# Altium PCB COPY_HIVE_BOARD.PcbDoc (part 5 of 9)
Units mm, origin at the board's own origin, x right, y up, seen from the top; angles counter-clockwise.
Board outline 110 x 110 mm, 8 copper layers (Top, GND_1, Signal_1, GND_2, PWR, Signal_2, GND_3, Bottom), stack 1.6 mm thick; 674 components, 473 nets, 2528 pads, 2100 vias.
Unrouted connection lines stored in the file: 14.
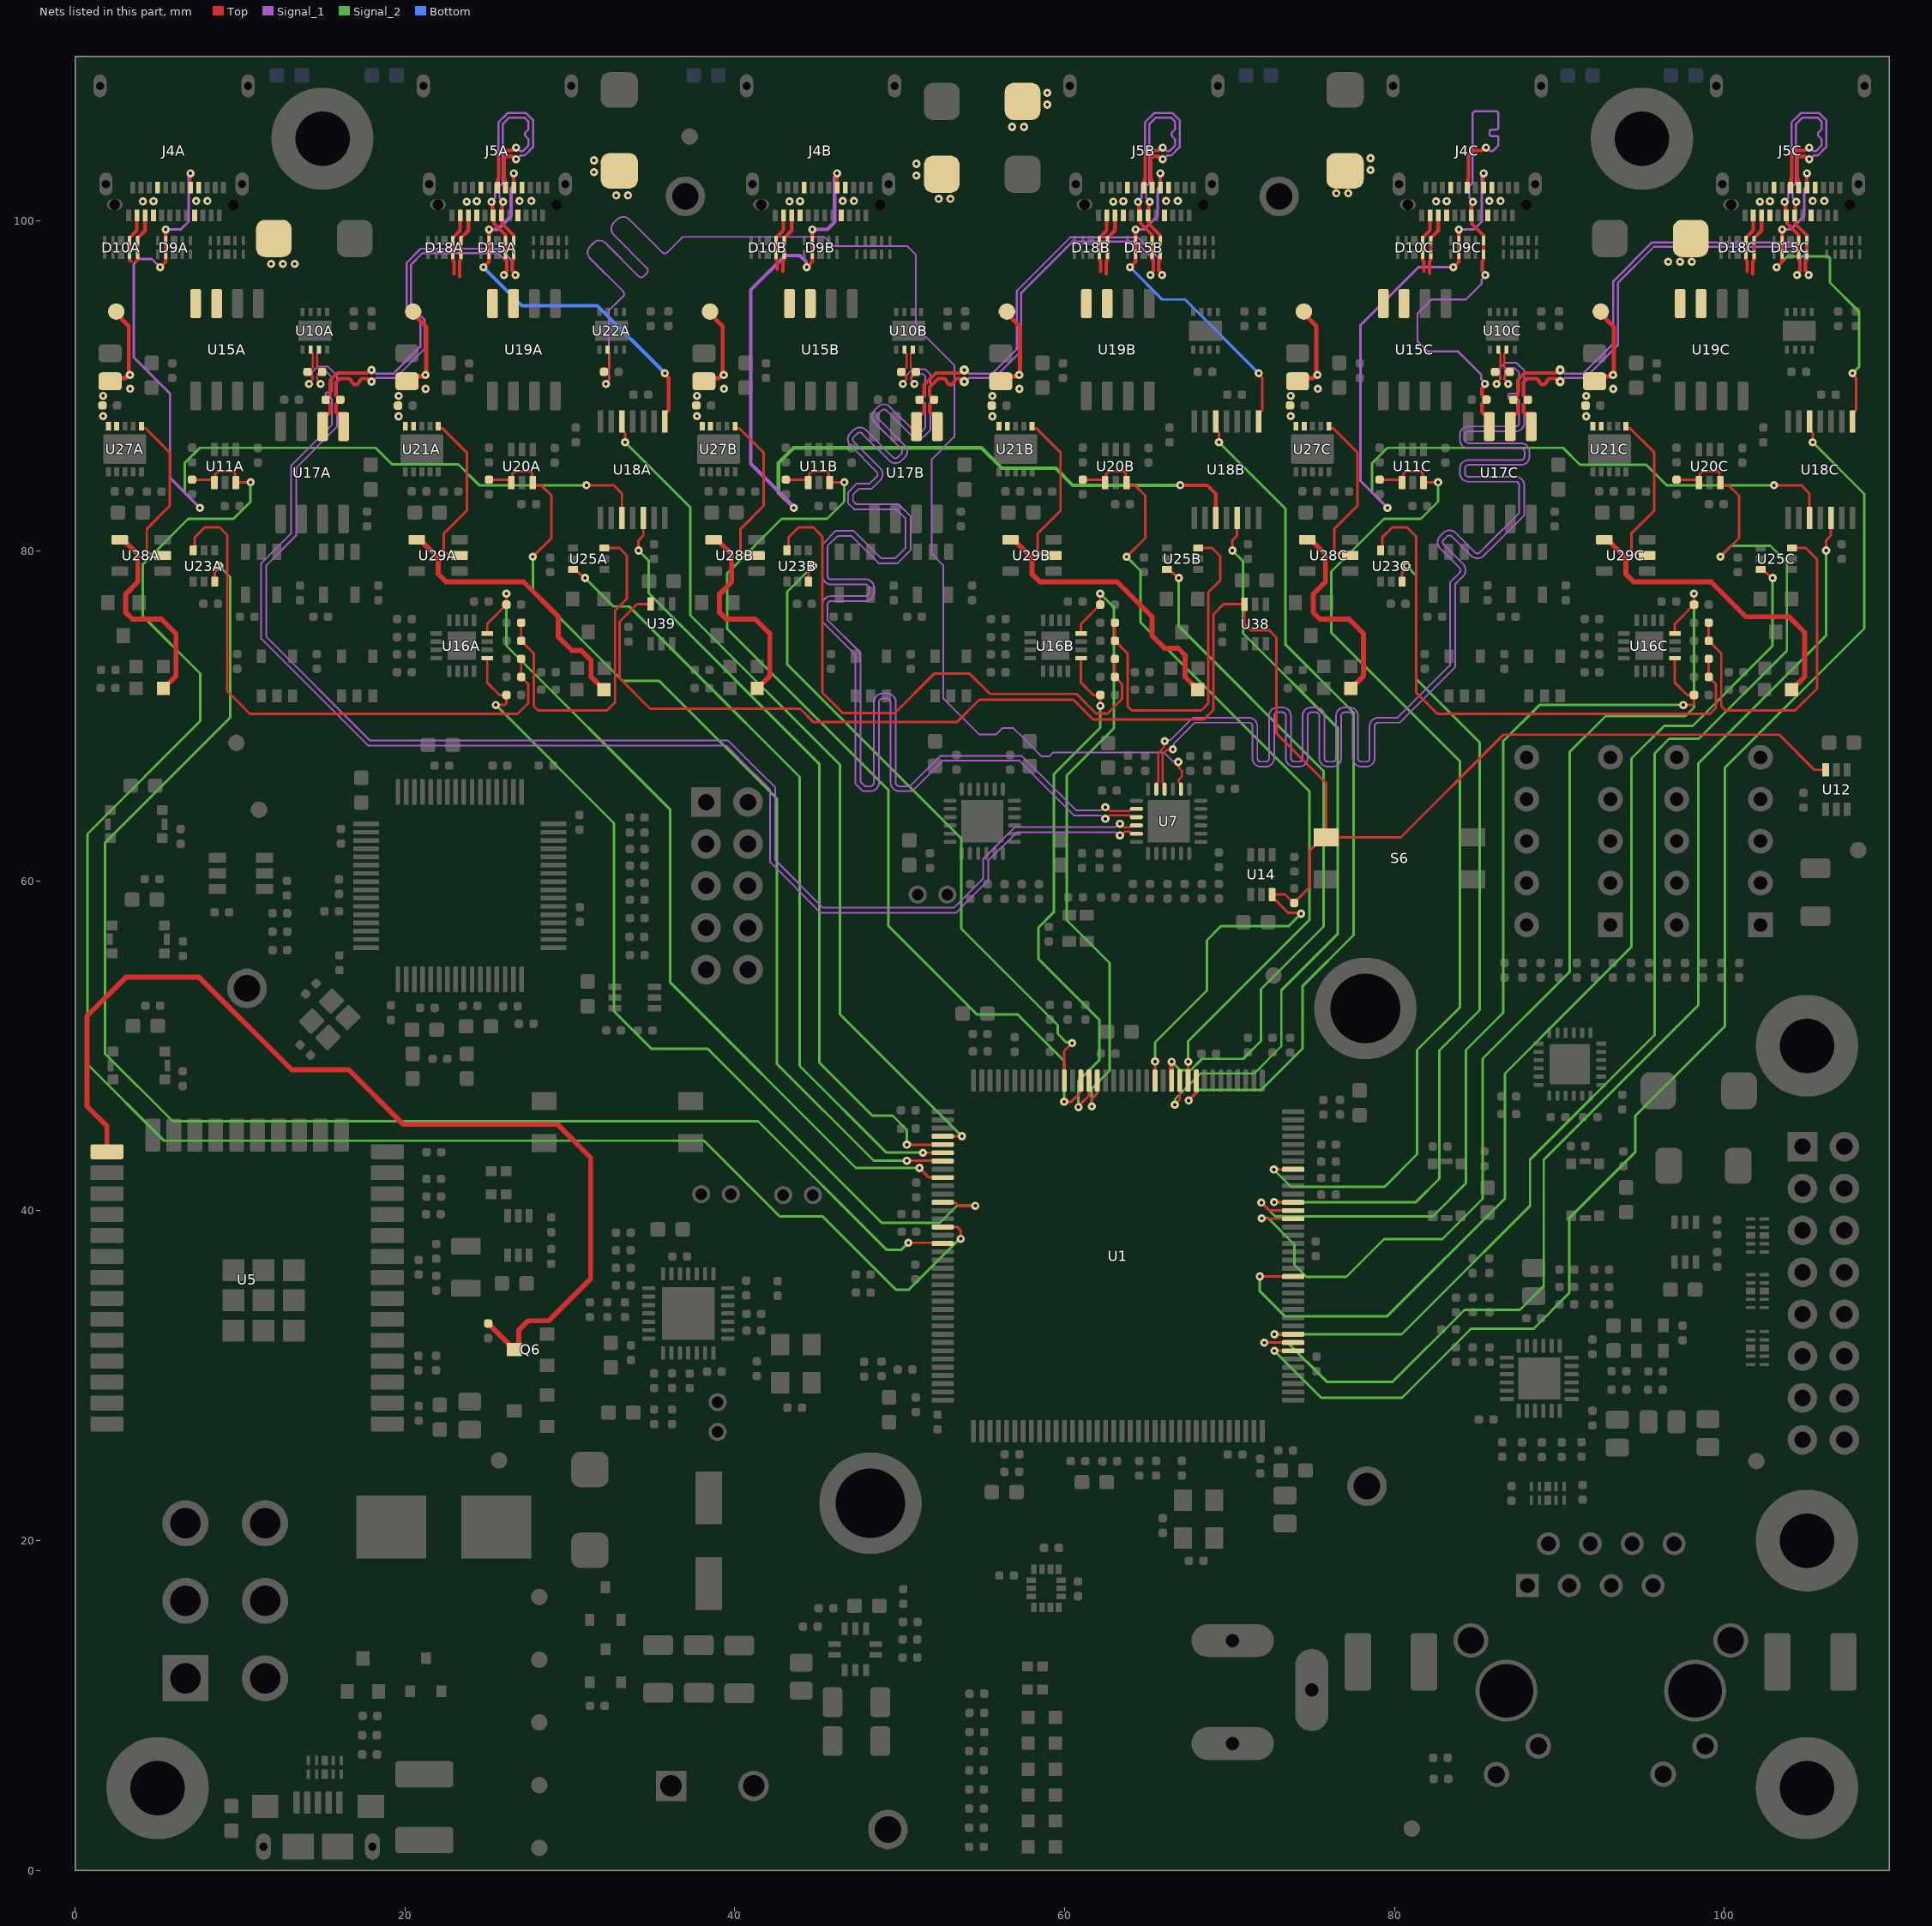
[diagram p11: the nets of this part, all layers, seen from the top]

## Via types
v1: diameter 0.5, hole 0.2, Top to Bottom, tented both sides, 1950 vias
v2: diameter 0.55, hole 0.2, Top to Bottom, tented both sides, 104 vias
v3: diameter 0.5, hole 0.2, Top to Bottom, 41 vias
v4: diameter 0.5, hole 0.2, Top to Bottom, tented bottom, 5 vias

## Nets (pads, with @x,y where several pads share a name; then routed paths per layer and width w, separated by ;. In a path a pad name is that pad's centre, name@x,y a point inside that pad or via, vN(x,y) a via of type N, cw(c..) or ccw(c..) an arc to the next point about the centre after c; other vN are vias at no path point) (continued)
BB_SPI_MISO_0C_P: D9C.1 D9C.10 J4C.A6 J4C.B6 R104C.2 U17C.3 | length 34.5
  Top w0.216: J4C.B6@84.4,102.04 84.442,102.082 84.442,102.54 84.479,102.576 84.479,103.294 84.474,103.299 84.474,103.95 84.801,104.277 85.272,104.277 85.452,104.457 v1(85.542,104.457) ; v1(84.751,101.168) 84.751,101.078 84.65,100.977 J4C.A6@84.65,100.34 84.692,100.298 84.692,99.838 85.4,99.13 D9C.10@85.4,97.982 85.392,97.975 85.392,97.652 85.321,97.581 85.321,97.376 85.321,96.999 v1@85.501,96.82 ; v1(85.477,90.137) 85.477,90.046 85.297,89.867 85.297,89.447 R104C.2@85.57,89.174 85.297,88.902 85.297,88.435 85.424,88.309 85.523,88.309 85.74,88.092 U17C.3@85.74,87.542
  Signal_1 w0.127: v1(84.751,101.168) 84.751,101.211 84.533,101.429 84.533,102.111 84.725,102.302 84.725,106.527 84.854,106.656 86.207,106.656 86.3,106.563 86.3,106.116 86.3,105.672 cw(c86.173,105.672) 86.173,105.545 85.871,105.545 ccw(c85.871,105.431) 85.757,105.431 85.757,105.278 ccw(c85.871,105.278) 85.871,105.164 86.173,105.164 cw(c86.173,105.037) 86.3,105.037 86.3,104.592 85.947,104.239 85.803,104.239 85.585,104.457 v1(85.542,104.457) ; v1(85.477,90.137) 85.477,90.205 85.259,90.423 85.259,90.688 83.855,92.092 82.008,92.092 81.388,92.712 81.388,94.392 82.237,95.241 84.311,95.241 85.283,96.214 85.283,96.468 85.501,96.686 v1(85.501,96.729)
BB_SPI_MISO_1A_N: D15A.2 D15A.9 J5A.A7 J5A.B7 R103A.2 U17A.1 | length 40.9
  Top w0.216: R103A.2@16.085,89.165 15.816,88.896 15.816,88.435 15.943,88.309 16.063,88.309 16.28,88.092 U17A.1@16.28,87.542 ; R103A.2@16.085,89.169 15.812,89.441 15.812,90.212 16.051,90.451 16.628,90.451 16.769,90.31 16.769,90.243 16.91,90.102 17.098,90.102 17.239,90.243 17.239,90.31 17.38,90.451 17.705,90.451 17.884,90.271 v1(17.975,90.271) ; v1(25.249,101.168) 25.308,101.109 25.308,100.382 J5A.A7@25.35,100.34 J5A.A7@25.39,100.299 ; J5A.A7@25.392,100.298 J5A.A7@25.39,100.299 ; v1(25.999,96.729) 25.999,96.82 26.178,96.999 26.178,97.234 26.178,97.581 26.108,97.652 26.108,97.975 D15A.9@26.1,97.982 ; 26.1,97.66 D15A.9@26.1,97.982 ; J5A.B7@26.1,102.04 26.058,102.082 26.058,102.54 26.021,102.576 26.021,103.575 26.016,103.58 26.016,103.808 26.143,103.934 26.472,103.934 26.651,103.754 v1(26.742,103.754) ; J5A.A7@25.39,100.299 25.39,99.854 26.092,99.153 26.092,98.825 D15A.2@26.1,98.817 D15A.9@26.1,97.982
  Signal_1 w0.127: v1(17.975,90.271) 18.043,90.271 18.261,90.489 19.427,90.489 21.2,92.263 21.2,94.007 20.375,94.833 20.375,97.369 21.068,98.062 25.637,98.062 26.216,97.483 26.216,96.99 25.999,96.772 v1(25.999,96.729) ; v1(25.249,101.168) 25.249,101.211 25.466,101.429 25.466,102.221 25.658,102.413 25.658,105.987 26.219,106.548 27.345,106.548 27.766,106.126 27.766,104.481 27.257,103.972 27.003,103.972 26.785,103.754 v1(26.742,103.754)
BB_SPI_MISO_1A_P: D15A.1 D15A.10 J5A.A6 J5A.B6 R103A.1 U17A.2 | length 40.9
  Top w0.216: U17A.2@15.01,87.542 15.01,88.092 15.227,88.309 15.347,88.309 15.473,88.435 15.473,88.892 R103A.1@15.196,89.169 15.469,89.441 15.469,90.354 15.909,90.794 17.705,90.794 17.884,90.973 v1(17.975,90.973) ; J5A.B6@25.6,102.04 25.642,102.082 25.642,102.54 25.678,102.576 25.678,103.294 25.674,103.299 25.674,103.95 26.001,104.277 26.472,104.277 26.651,104.457 v1(26.742,104.457) ; v1(25.951,101.168) 25.892,101.109 25.892,100.382 J5A.A6@25.85,100.34 25.891,100.298 25.891,99.838 26.6,99.13 D15A.10@26.6,97.982 ; 26.6,97.652 D15A.10@26.6,97.982 ; v1@26.701,96.82 26.521,96.999 26.521,97.376 26.521,97.581 26.592,97.652 26.592,97.975 D15A.10@26.6,97.982
  Signal_1 w0.127: v1(17.975,90.973) 18.043,90.973 18.261,90.756 19.316,90.756 20.934,92.373 20.934,93.897 20.108,94.722 20.108,97.479 20.958,98.329 25.747,98.329 26.483,97.593 26.483,96.99 26.701,96.772 v1(26.701,96.729) ; v1(25.951,101.168) 25.951,101.211 25.733,101.429 25.733,102.111 25.925,102.302 25.925,105.876 26.329,106.281 27.234,106.281 27.5,106.016 27.5,105.571 27.385,105.457 27.384,105.457 27.269,105.343 27.269,105.19 27.384,105.076 27.385,105.076 27.5,104.962 27.5,104.591 27.147,104.239 27.003,104.239 26.785,104.457 v1(26.742,104.457)
BB_SPI_MISO_1B_N: D15B.2 D15B.9 J5B.A7 J5B.B7 R103B.2 U17B.1 | length 42.5
  Top w0.216: R103B.2@52.085,89.165 51.816,88.896 51.816,88.435 51.943,88.309 52.063,88.309 52.28,88.092 U17B.1@52.28,87.542 ; R103B.2@52.085,89.169 51.812,89.441 51.812,89.932 52.125,90.245 52.331,90.451 52.703,90.451 52.844,90.31 52.844,90.243 52.985,90.102 53.173,90.102 53.314,90.243 53.314,90.31 53.455,90.451 53.644,90.451 53.824,90.271 v2(53.914,90.271) ; v1(64.449,101.169) 64.508,101.109 64.508,100.382 J5B.A7@64.55,100.34 J5B.A7@64.591,100.299 ; J5B.A7@64.592,100.298 J5B.A7@64.591,100.299 ; v1(65.199,96.729) 65.199,96.82 65.378,97 65.378,97.234 65.378,97.581 65.308,97.652 65.308,97.975 D15B.9@65.3,97.983 ; 65.3,97.66 D15B.9@65.3,97.983 ; J5B.B7@65.3,102.04 65.258,102.082 65.258,102.54 65.221,102.577 65.221,103.576 65.217,103.58 65.217,103.808 65.343,103.934 65.672,103.934 65.851,103.755 v1(65.942,103.755) ; J5B.A7@64.591,100.299 64.591,99.855 65.292,99.153 65.292,98.826 D15B.2@65.3,98.817 D15B.9@65.3,97.983
  Signal_1 w0.127: v2(53.914,90.271) 53.982,90.271 54.2,90.489 54.465,90.489 55.728,90.489 57.367,92.128 57.367,95.659 60.458,98.75 64.324,98.75 65.416,97.658 65.416,96.99 65.199,96.773 v1(65.199,96.729) ; v1(64.449,101.169) 64.449,101.212 64.667,101.429 64.667,102.222 64.858,102.413 64.858,105.987 65.419,106.548 66.545,106.548 66.966,106.127 66.966,104.481 66.457,103.973 66.203,103.973 65.985,103.755 v1(65.942,103.755)
BB_SPI_MISO_1B_P: D15B.1 D15B.10 J5B.A6 J5B.B6 R103B.1 U17B.2 | length 42.5
  Top w0.216: U17B.2@51.01,87.542 51.01,88.092 51.227,88.309 51.347,88.309 51.473,88.435 51.473,88.892 R103B.1@51.196,89.169 51.469,89.441 51.469,90.074 52.189,90.794 53.644,90.794 53.824,90.973 v2(53.914,90.973) ; J5B.B6@64.8,102.04 64.842,102.082 64.842,102.54 64.878,102.577 64.878,103.294 64.874,103.299 64.874,103.95 65.201,104.277 65.672,104.277 65.851,104.457 v1(65.942,104.457) ; v1(65.151,101.169) 65.092,101.109 65.092,100.382 J5B.A6@65.05,100.34 65.092,100.298 65.092,99.838 65.8,99.13 D15B.10@65.8,97.983 ; 65.8,97.653 D15B.10@65.8,97.983 ; v1@65.901,96.82 65.721,97 65.721,97.377 65.721,97.581 65.792,97.652 65.792,97.975 D15B.10@65.8,97.983
  Signal_1 w0.127: v2(53.914,90.973) 53.982,90.973 54.2,90.756 55.617,90.756 57.1,92.238 57.1,95.769 60.348,99.017 64.435,99.017 65.683,97.768 65.683,96.99 65.901,96.773 v1(65.901,96.729) ; v1(65.151,101.169) 65.151,101.212 64.933,101.429 64.933,102.111 65.125,102.303 65.125,105.877 65.529,106.282 66.434,106.282 66.7,106.016 66.7,105.572 66.585,105.457 66.584,105.457 66.47,105.343 66.47,105.191 66.584,105.076 66.585,105.076 66.7,104.962 66.7,104.592 66.347,104.239 66.203,104.239 65.985,104.457 v1(65.942,104.457)
BB_SPI_MISO_1C_N: D15C.2 D15C.9 J5C.A7 J5C.B7 R103C.2 U17C.1 | length 45.9
  Top w0.216: R103C.2@88.085,89.165 87.816,88.896 87.816,88.435 87.943,88.309 88.063,88.309 88.28,88.092 U17C.1@88.28,87.542 ; R103C.2@88.085,89.169 87.812,89.441 87.812,90.224 88.039,90.451 88.617,90.451 88.758,90.31 88.758,90.243 88.899,90.102 89.086,90.102 89.227,90.243 89.227,90.31 89.368,90.451 89.481,90.451 89.77,90.451 89.95,90.271 v2(90.041,90.271) ; v1(103.649,101.168) 103.708,101.109 103.708,100.382 J5C.A7@103.75,100.34 J5C.A7@103.791,100.299 ; J5C.A7@103.792,100.298 J5C.A7@103.791,100.299 ; v1(104.399,96.729) 104.399,96.82 104.578,96.999 104.578,97.234 104.578,97.581 104.508,97.652 104.508,97.975 D15C.9@104.5,97.982 ; 104.5,97.66 D15C.9@104.5,97.982 ; J5C.B7@104.5,102.04 104.458,102.082 104.458,102.54 104.421,102.576 104.421,103.575 104.417,103.58 104.417,103.808 104.543,103.934 104.872,103.934 105.052,103.754 v1(105.142,103.754) ; J5C.A7@103.791,100.299 103.791,99.854 104.492,99.153 104.492,98.826 D15C.2@104.5,98.817 D15C.9@104.5,97.982
  Signal_1 w0.127: v2(90.041,90.271) 90.109,90.271 90.327,90.489 91.545,90.489 93.531,92.474 93.531,96.249 95.727,98.445 104.084,98.445 104.617,97.912 104.617,96.99 104.399,96.772 v1(104.399,96.729) ; v1(103.649,101.168) 103.649,101.211 103.867,101.429 103.867,102.221 104.058,102.413 104.058,105.987 104.619,106.548 105.745,106.548 106.166,106.126 106.166,104.481 105.658,103.972 105.403,103.972 105.185,103.754 v1(105.142,103.754)
BB_SPI_MISO_1C_P: D15C.1 D15C.10 J5C.A6 J5C.B6 R103C.1 U17C.2 | length 45.9
  Top w0.216: U17C.2@87.01,87.542 87.01,88.092 87.227,88.309 87.347,88.309 87.473,88.435 87.473,88.892 R103C.1@87.196,89.169 87.469,89.441 87.469,90.366 87.897,90.794 89.77,90.794 89.95,90.973 v2(90.041,90.973) ; J5C.B6@104,102.04 104.042,102.082 104.042,102.54 104.079,102.576 104.079,103.294 104.074,103.299 104.074,103.95 104.401,104.277 104.872,104.277 105.052,104.457 v1(105.142,104.457) ; v1(104.351,101.168) 104.292,101.109 104.292,100.382 J5C.A6@104.25,100.34 104.292,100.298 104.292,99.838 105,99.13 D15C.10@105,97.982 ; 105,97.652 D15C.10@105,97.982 ; v1@105.101,96.82 104.921,96.999 104.921,97.376 104.921,97.581 104.992,97.652 104.992,97.975 D15C.10@105,97.982
  Signal_1 w0.127: v2(90.041,90.973) 90.109,90.973 90.327,90.756 91.435,90.756 93.264,92.585 93.264,96.36 95.616,98.712 104.194,98.712 104.883,98.023 104.883,96.99 105.101,96.772 v1(105.101,96.729) ; v1(104.351,101.168) 104.351,101.211 104.133,101.429 104.133,102.111 104.325,102.302 104.325,105.877 104.729,106.281 105.634,106.281 105.9,106.016 105.9,105.571 105.785,105.457 105.784,105.457 105.67,105.343 105.67,105.19 105.784,105.076 105.785,105.076 105.9,104.962 105.9,104.592 105.547,104.239 105.403,104.239 105.185,104.457 v1(105.142,104.457)
BB_SPI_MOSI_0A_N: D10A.1 D10A.10 J4A.A10 U15A.7 | length 3
  Top w0.216: 3.721,97.581 3.792,97.652 3.792,97.975 D10A.10@3.8,97.982 D10A.1@3.8,98.817 3.8,98.984 4.25,99.434 J4A.A10@4.25,100.34
BB_SPI_MOSI_0A_P: D10A.2 D10A.9 J4A.A11 U15A.8 | length 3
  Top w0.216: 3.379,97.581 3.308,97.652 3.308,97.975 D10A.9@3.3,97.982 D10A.2@3.3,98.817 3.3,98.984 3.75,99.434 J4A.A11@3.75,100.34
BB_SPI_MOSI_0B_N: D10B.1 D10B.10 J4B.A10 U15B.7 | length 3.6
  Top w0.216: 42.922,96.953 42.922,97.581 42.992,97.652 42.992,97.975 43,97.983 43,98.984 43.45,99.434 J4B.A10@43.45,100.34
BB_SPI_MOSI_0B_P: D10B.2 D10B.9 J4B.A11 U15B.8 | length 3.5
  Top w0.216: 42.579,97.095 42.579,97.581 42.508,97.652 42.508,97.975 42.5,97.983 42.5,98.984 42.95,99.434 J4B.A11@42.95,100.34
BB_SPI_MOSI_0C_N: D10C.1 D10C.10 J4C.A10 U15C.7 | length 3.7
  Top w0.216: 82.122,96.848 82.122,97.581 82.192,97.652 82.192,97.975 D10C.10@82.2,97.982 82.2,98.984 82.65,99.434 J4C.A10@82.65,100.34
BB_SPI_MOSI_0C_P: D10C.2 D10C.9 J4C.A11 U15C.8 | length 3.6
  Top w0.216: 81.779,96.99 81.779,97.581 81.708,97.652 81.708,97.975 D10C.9@81.7,97.982 81.7,98.984 82.15,99.434 J4C.A11@82.15,100.34
BB_SPI_MOSI_1A_N: D18A.1 D18A.10 J5A.A10 U19A.7 | length 3.7
  Top w0.216: 23.321,96.655 23.321,97.581 23.392,97.652 23.392,97.975 D18A.10@23.4,97.982 D18A.1@23.4,98.817 D18A.1@23.392,98.825 ; D18A.1@23.4,98.984 23.85,99.434 J5A.A10@23.85,100.34
BB_SPI_MOSI_1A_P: D18A.2 D18A.9 J5A.A11 U19A.8 | length 3.4
  Top w0.216: D18A.9@22.9,97.982 D18A.2@22.9,98.817 D18A.2@22.908,98.825 ; D18A.2@22.9,98.984 23.35,99.434 J5A.A11@23.35,100.34 ; D18A.9@22.908,97.808 22.908,97.652 22.979,97.581 22.979,96.797
BB_SPI_MOSI_1B_N: D18B.1 D18B.10 J5B.A10 U19B.7 | length 3.6
  Top w0.216: 62.522,96.807 62.522,97.581 62.592,97.652 62.592,97.975 62.6,97.983 62.6,98.818 D18B.1@62.592,98.826 ; D18B.1@62.6,98.984 63.05,99.434 J5B.A10@63.05,100.34
BB_SPI_MOSI_1B_P: D18B.2 D18B.9 J5B.A11 U19B.8 | length 3.3
  Top w0.216: D18B.9@62.1,97.983 D18B.2@62.1,98.817 D18B.2@62.108,98.826 ; D18B.2@62.1,98.984 62.55,99.434 J5B.A11@62.55,100.34 ; D18B.9@62.108,97.808 62.108,97.652 62.179,97.581 62.179,96.949
BB_SPI_MOSI_1C_N: D18C.1 D18C.10 J5C.A10 U19C.7 | length 3.6
  Top w0.216: 101.722,96.806 101.722,97.581 101.792,97.652 101.792,97.975 D18C.10@101.8,97.982 D18C.1@101.8,98.817 D18C.1@101.792,98.826 ; D18C.1@101.8,98.984 102.25,99.434 J5C.A10@102.25,100.34
BB_SPI_MOSI_1C_P: D18C.2 D18C.9 J5C.A11 U19C.8 | length 3.3
  Top w0.216: D18C.9@101.3,97.982 D18C.2@101.3,98.817 D18C.2@101.308,98.826 ; D18C.2@101.3,98.984 101.75,99.434 J5C.A11@101.75,100.34 ; D18C.9@101.308,97.808 101.308,97.652 101.379,97.581 101.379,96.948
BB_SPI_nCS_0A: D9A.4 D9A.7 J4A.B8 U18A.3 | length 58.8
  Top w0.152: J4A.B8@7,102.04 v1(7,102.897) ; v1(31.005,83.988) 32.649,83.988 33.155,83.482 U18A.3@33.155,82
  Top w0.216: v1(5.156,97.206) 5.5,97.549 D9A.7@5.5,97.982 D9A.4@5.5,98.817 v1(5.5,99.495)
  Signal_1 w0.152: v1(5.156,97.206) 4.654,97.708 3.865,97.708 3.559,97.402 3.559,91.742 5.755,89.546 5.755,84.434 v1(7.57,82.619) ; v1(5.5,99.495) 6.405,99.495 6.883,99.973 6.883,102.687 7,102.803 v1(7,102.897)
  Signal_2 w0.152: v1(7.57,82.619) 6.644,83.545 6.644,85.325 7.573,86.254 18.215,86.254 19.218,85.252 23.234,85.252 24.498,83.988 v1(31.005,83.988)
BB_SPI_nCS_0B: D9B.4 D9B.7 J4B.B8 U18B.3 | length 59.5
  Top w0.216: v1(44.356,97.206) 44.7,97.55 v1(44.7,99.495) ; J4B.B8@46.2,102.04 v1(46.2,102.898) ; v1(67.005,83.988) 68.649,83.988 69.155,83.482 U18B.3@69.155,82
  Signal_1 w0.216: v1(43.57,82.619) 43.57,82.693 40.969,85.295 40.969,95.827 43.061,97.919 43.94,97.919 44.314,97.544 44.314,97.248 v1(44.356,97.206) ; v1(44.7,99.495) 45.605,99.495 46.05,99.941 46.05,102.629 46.058,102.637 46.058,102.679 46.2,102.821 v1(46.2,102.898)
  Signal_2 w0.216: v1(43.57,82.619) 42.644,83.545 42.644,85.325 43.573,86.254 54.961,86.254 56.192,85.023 59.463,85.023 60.498,83.988 v1(67.005,83.988)
BB_SPI_nCS_0C: D9C.4 D9C.7 J4C.B8 U18C.3 | length 59.3
  Top w0.152: J4C.B8@85.4,102.04 v1(85.4,102.897) ; v1(103.005,83.988) 104.649,83.988 105.155,83.482 U18C.3@105.155,82
  Top w0.216: v1(83.556,97.206) 83.9,97.549 v1(83.9,99.495)
  Signal_1 w0.152: v1(79.57,82.619) 77.923,84.266 77.923,93.677 81.452,97.206 v1(83.556,97.206) ; v1(83.9,99.495) 84.805,99.495 85.284,99.974 85.284,102.687 85.4,102.803 v1(85.4,102.897)
  Signal_2 w0.152: v1(79.57,82.619) 78.644,83.545 78.644,85.325 79.573,86.254 90.215,86.254 91.237,85.233 95.253,85.233 96.498,83.988 v1(103.005,83.988)
BB_SPI_nCS_1A: D15A.4 D15A.7 J5A.B8 U18A.8 | length 24.4
  Top w0.216: v1(24.756,97.206) 25.1,97.549 D15A.7@25.1,97.982 v1(25.1,99.495) ; J5A.B8@26.6,102.04 v1(26.6,102.897) ; U18A.8@35.755,87.85 35.755,88.35 35.854,88.449 35.896,88.449 35.985,88.538 35.985,90.492 35.763,90.713 v1(35.763,90.78)
  Signal_1 w0.216: v1(25.1,99.495) 25.622,99.495 26.441,100.315 26.441,101.953 26.6,102.111 v1(26.6,102.897)
  Bottom w0.216: v1(24.756,97.206) 27.084,94.878 31.665,94.878 v1(35.763,90.78)
BB_SPI_nCS_1B: D15B.4 D15B.7 J5B.B8 U18B.8 | length 21.2
  Top w0.152: J5B.B8@65.8,102.04 v1(65.8,102.898) ; U18B.8@71.755,87.85 71.755,88.35 71.854,88.449 71.896,88.449 71.985,88.538 71.985,90.492 71.763,90.713 v1(71.763,90.78)
  Top w0.216: v1(63.957,97.206) 64.3,97.55 D15B.7@64.3,97.983 ; D15B.7@64.3,97.983 v1(64.3,99.495)
  Signal_1 w0.152: v1(64.3,99.495) 64.822,99.495 65.641,100.315 65.641,101.953 65.8,102.111 v1(65.8,102.898)
  Bottom w0.152: v1(63.957,97.206) 65.913,95.25 67.293,95.25 v1(71.763,90.78)
BB_SPI_nCS_1C: D15C.4 D15C.7 J5C.B8 U18C.8 | length 22.2
  Top w0.152: J5C.B8@105,102.04 v1(105,102.897) ; U18C.8@107.755,87.85 107.755,88.35 107.854,88.449 107.896,88.449 107.985,88.538 107.985,90.492 107.763,90.713 v1(107.763,90.78)
  Top w0.216: v1(103.157,97.206) 103.5,97.549 D15C.7@103.5,97.982 v1(103.5,99.495)
  Signal_1 w0.152: v1(103.5,99.495) 104.022,99.495 104.842,100.315 104.842,101.953 105,102.111 v1(105,102.897)
  Signal_2 w0.152: v1(103.157,97.206) 103.812,97.862 106.301,97.862 106.39,97.772 106.39,96.279 108.171,94.498 108.171,91.188 v1(107.763,90.78)
BB_VIN_0A: C141A.2 D11A.1 J4A.A4 J4A.A9 J4A.B4 J4A.B9 R151A.1 TP6A.1 U27A.9 U27A.10 | length 5.5
  Top w0.254: C141A.2@2.125,90.285 2.317,90.477 3.056,90.477 3.263,90.685 3.263,93.626 TP6A.1@2.371,94.518
  other v1: 1.703,88.175 1.702,89.408 3.341,89.837 3.327,90.678 11.884,97.409 12.598,97.409 13.313,97.409 4.115,101.194 4.756,101.206 7.341,101.219 8.026,101.219
BB_VIN_0B: C141B.2 D11B.1 J4B.A4 J4B.A9 J4B.B4 J4B.B9 R151B.1 TP6B.1 U27B.9 U27B.10 | length 5.5
  Top w0.254: C141B.2@38.125,90.285 38.317,90.477 39.056,90.477 39.263,90.685 39.263,93.626 TP6B.1@38.371,94.518
  other v1: 37.703,88.175 37.702,89.408 39.341,89.837 39.327,90.678 43.315,101.194 43.957,101.207 46.541,101.219 47.226,101.219 52.36,101.35 53.075,101.35 51.006,102.76 51.006,103.474
BB_VIN_0C: C141C.2 D11C.1 J4C.A4 J4C.A9 J4C.B4 J4C.B9 R151C.1 TP6C.1 U27C.9 U27C.10 | length 5.5
  Top w0.254: C141C.2@74.125,90.285 74.317,90.477 75.056,90.477 75.263,90.685 75.263,93.626 TP6C.1@74.399,94.49
  other v1: 73.703,88.175 73.702,89.408 75.341,89.837 75.327,90.678 82.515,101.194 83.157,101.206 85.741,101.219 86.427,101.219 76.473,101.687 77.187,101.687 78.541,103.097 78.541,103.812
BB_VIN_1A: C127A.2 D16A.1 J5A.A4 J5A.A9 J5A.B4 J5A.B9 R152A.1 TP7A.1 U21A.9 U21A.10 | length 5.6
  Top w0.254: C127A.2@20.125,90.285 20.425,90.585 21.089,90.585 21.175,90.671 21.296,90.671 21.289,90.678 21.289,90.785 21.296,90.792 21.296,93.593 TP7A.1@20.371,94.518
  other v1: 19.617,88.168 19.616,89.401 21.256,89.83 21.242,90.671 23.748,101.183 24.356,101.206 26.949,101.219 27.661,101.219 32.813,101.56 33.527,101.56 31.459,102.97 31.459,103.684
BB_VIN_1B: C127B.2 D16B.1 J5B.A4 J5B.A9 J5B.B4 J5B.B9 R152B.1 TP7B.1 U21B.9 U21B.10 | length 5.6
  Top w0.254: C127B.2@56.125,90.285 56.425,90.585 57.089,90.585 57.175,90.671 57.296,90.671 57.289,90.678 57.289,90.785 57.296,90.792 57.296,93.593 TP7B.1@56.371,94.518
  other v1: 55.617,88.168 55.616,89.401 57.256,89.83 57.242,90.671 62.948,101.183 63.557,101.207 66.149,101.219 66.861,101.219 56.814,105.713 57.529,105.713 58.939,107.067 58.939,107.781
BB_VIN_1C: C127C.2 D16C.1 J5C.A4 J5C.A9 J5C.B4 J5C.B9 R152C.1 TP7C.1 U21C.9 U21C.10 | length 5.6
  Top w0.254: C127C.2@92.125,90.285 92.425,90.585 93.089,90.585 93.175,90.671 93.296,90.671 93.289,90.678 93.289,90.785 93.296,90.792 93.296,93.593 TP7C.1@92.371,94.518
  other v1: 91.617,88.168 91.616,89.401 93.256,89.83 93.242,90.671 96.589,97.536 97.304,97.536 98.019,97.536 102.148,101.183 102.757,101.206 105.35,101.219 106.061,101.219
BOOT_MODE: Q6.3 R92.1 U5.25 | length 60.5
  Top w0.305: U5.25@1.932,43.579 1.932,45.124 0.724,46.332 0.724,51.807 3.075,54.158 7.523,54.158 13.137,48.544 16.593,48.544 19.902,45.235 29.249,45.235 31.259,43.225 31.259,35.88 28.707,33.329 27.461,33.329 26.896,32.763 Q6.3@26.896,31.826 ; R92.1@25.051,33.167 Q6.3@26.326,31.892
CH_CL_PWR_EN: R96.2 S6.3 U1.86 U12.3 U14.3 U38.3 U39.3 | length 127.7
  Top w0.152: U39.3@34.9,76.785 34.071,76.785 33.006,75.719 33.006,72.29 34.864,70.433 43.961,70.433 44.773,69.621 53.457,69.621 54.826,70.989 60.524,70.989 61.734,69.779 68.427,69.779 69.012,70.364 69.012,76.155 69.631,76.774 U38.3@70.9,76.774 70.9,75.575 71.27,75.205 71.564,75.205 72.395,75.205 72.843,74.756 72.843,68.939 75.852,65.93 S6.3@75.852,62.635 ; U1.86@65.476,47.889 65.479,47.892 65.479,49.045 v1(65.481,49.047) ; v1(74.334,58.013) 74.282,58.065 73.55,58.065 72.762,58.853 72.699,58.853 72.575,58.977 U14.3@72.575,59.177 73.36,59.177 73.876,58.661 R96.2@73.914,58.661 73.914,58.689 74.865,59.641 74.865,61.848 75.652,62.635 S6.3@75.852,62.635 ; U12.3@106.138,66.734 105.452,66.734 103.323,68.863 86.598,68.863 80.371,62.635 S6.3@75.852,62.635